# Altium PCB PCB1.PcbDoc (part 1 of 2) (continued)
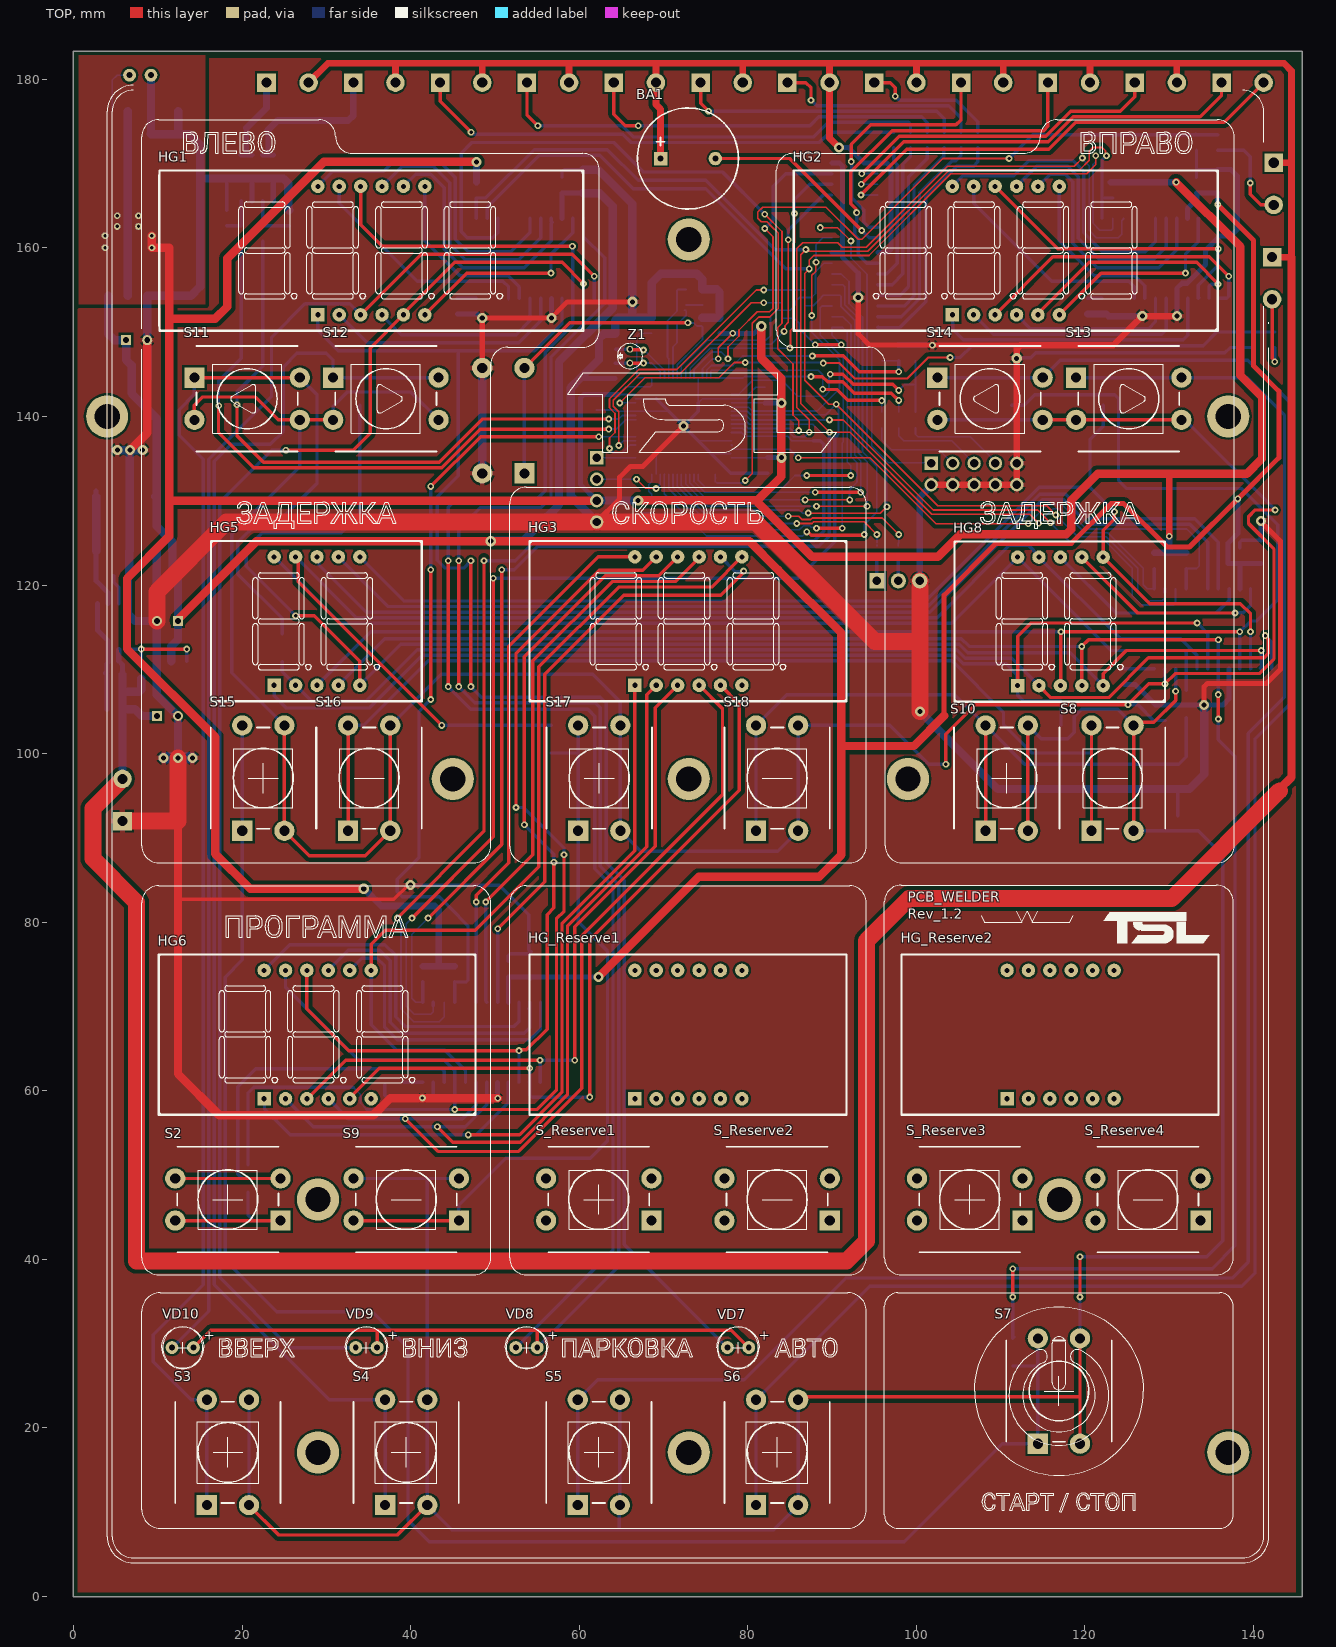
[diagram p0: TOP view]
## Footprints (in the part's own frame and the unit in brackets; to place one, negate y for a bottom-side part, rotate by r counter-clockwise, add the part's x,y. Pads: shape width x height; smd on the part's side, far side on the other; paste and mask are expansions set on the pad)
Buzzer_HCM1212A [mm]
  rect 1.6x1.6 hole 0.7: 1(0,0)
  round 1.6 hole 0.7: 2(6.5,0)
  silkscreen extent -2.75,-6 9.25,6, body extent -2.75,-6 9.25,6, height 9.5
Capacitor_0805 [mm]
  rect 1.05x1.4 smd: 1(-0.925,0) 2(0.925,0)
  silkscreen extent -0.05,-0.63 0.05,0.63, body extent -1,-0.63 1,0.63, height 1.3
CAPACITOR_1206 [mm] "Chip Capacitor, 2-Leads, Body 3,10x1,60mm, IPC Medium Density"
  rect 1.25x1.75 smd: 1(-1.375,0) 2(1.375,0)
  silkscreen extent -0.25,-0.8 0.25,0.8, body extent -1.6,-0.85 1.6,0.85, height 0.6
Capacitor_Electrolit_6.3x11 [mm]
  rect 1.2x1.2 hole 0.7: 1(0,0)
  round 1.2 hole 0.7: 2(2.5,0)
  silkscreen extent -1.9,-3.15 4.4,3.15, body extent -1.87,-3.15 4.42,3.15, height 11.8
CONNECTOR_DG306-5.0-02P [mm]
  rect 2.2x2.2 hole 1.2: 1(0,0)
  round 2.2 hole 1.2: 2(5,0)
  silkscreen extent -2.6,-3.1 7.4,4.52, body extent -2.5,-3.1 7.5,4.5, height 9.8
CONNECTOR_PLD-10 [mm]
  rect 1.6x1.6 hole 1: 1(0,0)
  round 1.6 hole 1: 2(0,2.54) 3(2.54,0) 4(2.54,2.54) 5(5.08,0) 6(5.08,2.54) 7(7.62,0) 8(7.62,2.54) 9(10.16,0) 10(10.16,2.54)
  silkscreen extent -1.27,-1.27 11.43,3.81, body extent -1.27,-1.27 11.43,3.81, height 8.8
CONNECTOR_PLS-3 [mm]
  rect 1.8x1.8 hole 1: 1(0,0)
  round 1.8 hole 1: 2(2.54,0) 3(5.08,0)
  silkscreen extent -1.27,-1.27 6.35,1.27, body extent -1.27,-1.27 6.35,1.27, height 8.8
CONNECTOR_PLS-4 [mm]
  rect 1.6x1.6 hole 1: 1(0,0)
  round 1.6 hole 1: 2(2.54,0) 3(5.08,0) 4(7.62,0)
  silkscreen extent -1.27,-1.27 8.89,1.27, body extent -1.27,-1.27 8.89,1.27, height 8.8
Diode_MMSD4148 [mm]
  rect 0.91x1.22 smd: 1(-1.64,0) 2(1.64,0)
  silkscreen extent -1,-0.51 0.65,1, body extent -1.93,-0.9 1.93,0.9, height 1.35
DIODE_STPS1L30A [mm] "Molded Diode, 2-Leads, Body 5,20x2,60mm, IPC Medium Density DIOM5226X27N"
  rect 1.45x1.65 smd: 1(-1.975,0) 2(1.975,0)
  silkscreen extent -3.52,-1.7 3,1.7, body extent -2.5,-1.35 2.5,1.35, height 2.3
FYD-5621Bx [mm]
  rect 1.6x1.6 hole 0.6: 1(0,0)
  round 1.6 hole 0.6: 2(2.54,0) 3(5.08,0) 4(7.62,0) 5(10.16,0) 6(10.16,15.24) 7(7.62,15.24) 8(5.08,15.24) 9(2.54,15.24) 10(0,15.24)
  silkscreen extent -7.5,-1.9 17.5,17.1, body extent -7.5,-1.8 17.5,17.2, height 8
FYQ-5641BG-21 [mm]
  rect 1.6x1.6 hole 0.6: 1(0,0)
  round 1.6 hole 0.6: 2(2.54,0) 3(5.08,0) 4(7.62,0) 5(10.16,0) 6(12.7,0) 7(12.7,15.24) 8(10.16,15.24) 9(7.62,15.24) 10(5.08,15.24) 11(2.54,15.24) 12(0,15.24)
  silkscreen extent -18.8,-1.9 31.5,17.1, body extent -18.85,-1.88 31.55,17.12, height 8
FYT-5631BX [mm]
  rect 1.6x1.6 hole 0.6: 1(0,0)
  round 1.6 hole 0.6: 2(2.54,0) 3(5.08,0) 4(7.62,0) 5(10.16,0) 6(12.7,0) 7(12.7,15.24) 8(10.16,15.24) 9(7.62,15.24) 10(5.08,15.24) 11(2.54,15.24) 12(0,15.24)
  silkscreen extent -12.5,-1.9 25.1,17.1, body extent -12.45,-1.91 25.15,17.1, height 8
INDUCTOR_CDRH8D28 [mm] "Precision Wire Wound Inductor, 2-Leads, Body 8,00x8,00mm, IPC Medium Density, INDP8080X30N"
  rect 2x2.8 smd: 1(-3.6,0) 2(3.6,0)
  silkscreen extent -4.15,-4.15 4.15,4.15, body extent -4.35,-4 4.35,4, height 2.8
IRF7341_SO-8/SOIC-8 [mm]
  rect 1.45x0.6 smd: 1(-2.725,1.905) 2(-2.725,0.635) 3(-2.725,-0.635) 4(-2.725,-1.905) 5(2.725,-1.905) 6(2.725,-0.635) 7(2.725,0.635) 8(2.725,1.905)
  silkscreen extent -2.85,-2.5 1.6,2.88, body extent -3,-2.45 3,2.45, height 1.7
"LED_ FYL-3014GD1A" [mil]
  round 60 hole 27.56: 1(0,0) 2(100,0)
  silkscreen extent -44,-94 144,94, body extent -10,-75 125,75, height 301
MCP3208_SOIC16 [mm] "SOIC, 16-Leads, Body 9,91x3,90mm, Pitch 1,27mm, IPC Medium Density"
  rect 1.45x0.6 smd: 1(-2.725,4.445) 2(-2.725,3.175) 3(-2.725,1.905) 4(-2.725,0.635) 5(-2.725,-0.635) 6(-2.725,-1.905) 7(-2.725,-3.175) 8(-2.725,-4.445) 9(2.725,-4.445) 10(2.725,-3.175) 11(2.725,-1.905) 12(2.725,-0.635) 13(2.725,0.635) 14(2.725,1.905) 15(2.725,3.175) 16(2.725,4.445)
  silkscreen extent -1.6,-5 1.6,5, body extent -3,-5.08 3,5.08, height 1.7
NCP1117_SOT223 [mm]
  rect 2.15x1.5 smd: 1(-3.15,2.3) 2(-3.15,0) 3(-3.15,-2.3)
  rect 2.15x3.8 smd: 2(3.15,0)
  silkscreen extent -3.27,-3.25 1.6,3.73, body extent -3.65,-3.35 3.65,3.35, height 1.8
Quartz_32768kHz [mm]
  round 0.8 hole 0.5: 1(-0.275,0) 2(1.375,0)
  silkscreen extent -0.95,-1.5 2.05,1.5, body extent -0.95,-10.9 2.05,0.15, height 3
Quartz_KX-9 [mm] "DFN, 4-Leads, Body 3,20x5,00mm, Pitch 3,70mm, IPC Medium Density"
  rect 1.6x1.25 smd: 1(-1.85,-1.1) 2(1.85,-1.1) 3(1.85,1.1) 4(-1.85,1.1)
  body extent -2.5,-1.6 2.5,1.6, height 1.01
RESISTOR_SMD0805 [mm]
  rect 1.05x1.4 smd: 1(-0.925,0) 2(0.925,0)
  silkscreen extent -0.05,-0.6 0.05,0.6, body extent -1.1,-0.7 1.1,0.7, height 0.5
SO-24 [mm] "STLED316S"
  rect 1.9x0.6 smd: 1(-4.75,6.985) 2(-4.75,5.715) 3(-4.75,4.445) 4(-4.75,3.175) 5(-4.75,1.905) 6(-4.75,0.635) 7(-4.75,-0.635) 8(-4.75,-1.905) 9(-4.75,-3.175) 10(-4.75,-4.445) 11(-4.75,-5.715) 12(-4.75,-6.985) 13(4.75,-6.985) 14(4.75,-5.715) 15(4.75,-4.445) 16(4.75,-3.175) 17(4.75,-1.905) 18(4.75,-0.635) 19(4.75,0.635) 20(4.75,1.905) 21(4.75,3.175) 22(4.75,4.445) 23(4.75,5.715) 24(4.75,6.985)
  silkscreen extent -4.87,-7.8 3.2,7.96, body extent -5.3,-7.8 5.3,7.8, height 2.65
SOIC8 [mm] "SOIC, 8-Leads, Body 4,90x3,90mm, Pitch 1,27mm, IPC Medium Density"
  rect 1.5x0.6 smd: 1(-2.7,1.905) 2(-2.7,0.635) 3(-2.7,-0.635) 4(-2.7,-1.905) 5(2.7,-1.905) 6(2.7,-0.635) 7(2.7,0.635) 8(2.7,1.905)
  silkscreen extent -2.82,-2.45 1.55,2.88, body extent -3,-2.45 3,2.45, height 1.7
STM32F103RBT6_LQFP64 [mm] "TSQFP, 64-Leads, Body 10,00x10,00mm, Pitch 0,50mm, IPC Medium Density"
  rect 1.2x0.3 smd mask+0.1: 1(-5.7,3.75) 2(-5.7,3.25) 3(-5.7,2.75) 4(-5.7,2.25) 5(-5.7,1.75) 6(-5.7,1.25) 7(-5.7,0.75) 8(-5.7,0.25) 9(-5.7,-0.25) 10(-5.7,-0.75) 11(-5.7,-1.25) 12(-5.7,-1.75) 13(-5.7,-2.25) 14(-5.7,-2.75) 15(-5.7,-3.25) 16(-5.7,-3.75) 33(5.7,-3.75) 34(5.7,-3.25) 35(5.7,-2.75) 36(5.7,-2.25) 37(5.7,-1.75) 38(5.7,-1.25) 39(5.7,-0.75) 40(5.7,-0.25) 41(5.7,0.25) 42(5.7,0.75) 43(5.7,1.25) 44(5.7,1.75) 45(5.7,2.25) 46(5.7,2.75) 47(5.7,3.25) 48(5.7,3.75)
  rect 0.3x1.2 smd mask+0.1: 17(-3.75,-5.7) 18(-3.25,-5.7) 19(-2.75,-5.7) 20(-2.25,-5.7) 21(-1.75,-5.7) 22(-1.25,-5.7) 23(-0.75,-5.7) 24(-0.25,-5.7) 25(0.25,-5.7) 26(0.75,-5.7) 27(1.25,-5.7) 28(1.75,-5.7) 29(2.25,-5.7) 30(2.75,-5.7) 31(3.25,-5.7) 32(3.75,-5.7) 49(3.75,5.7) 50(3.25,5.7) 51(2.75,5.7) 52(2.25,5.7) 53(1.75,5.7) 54(1.25,5.7) 55(0.75,5.7) 56(0.25,5.7) 57(-0.25,5.7) 58(-0.75,5.7) 59(-1.25,5.7) 60(-1.75,5.7) 61(-2.25,5.7) 62(-2.75,5.7) 63(-3.25,5.7) 64(-3.75,5.7)
  silkscreen extent -4.6,-4.6 4.6,4.6, body extent -6.01,-6.01 6.01,6.01, height 1.6
"Tact Switch_DTS-26_12x12x95" [mm] "12x12x9.5"
  rect 2.4x2.4 hole 1.2: 1(-6.25,2.5)
  round 2.4 hole 1.2: 2(6.25,2.5) 3(-6.25,-2.5) 4(6.25,-2.5)
  silkscreen extent -6,-6.25 6,6.25, body extent -7.19,-6 6.59,6, height 9.55

## Part data
C1 C2 C3 C4 C5 C6 C8 C10 C11 C12 C13 C14 C15 C16 C18 C20 C24 C25 C30 C31: library part Capacitor_0805
C7 C21 C22 C23 C26 C28: library part Capacitor_1206
C9 C17 C19: library part Capacitor+_6.3x11
L1: library part Indluctor_CDRH8D28
R1 R2 R3 R4 R5 R6 R7 R8 R9 R10 R11 R12 R13 R14 R15 R16 R17 R18 R19 R20 R21 R22 R23 R24 R25 R26 R27 R28 R29 R30 R31 R32 R33 R34 R35 R37 R38 R39 R40 R42 R43 R44 R45: library part Resistor_0805
S1 S2 S3 S4 S5 S6 S7 S8 S9 S10 S11 S12 S13 S14 S15 S16 S17 S18 S_Reserve1 S_Reserve2 S_Reserve3 S_Reserve4: library part Tact_Switch_DTS-26_12x12x95
VD1: library part Diode_STPS1L30A
VD11 VD12 VD13 VD14 VD15 VD16 VD17 VD18 VD19: library part Diode_MMSD4148
Z1: library part Quartz_32678Hz

## Free pads (board coordinates)
  round 5 hole 3: ""(4,140) ""(29,17.1) ""(29,47.1) ""(45,97) ""(73,17.1) ""(73,97) ""(73,161) ""(99,97) ""(117,47.1) ""(137,17.1) ""(137,140)

## Via types
v1: diameter 0.8, hole 0.4, TOP to BOTTOM, 171 vias
v2: diameter 1.2, hole 0.6, TOP to BOTTOM, 27 vias

## Nets (pads, with @x,y where several pads share a name; then routed paths per layer and width w, separated by ;. In a path a pad name is that pad's centre, name@x,y a point inside that pad or via, vN(x,y) a via of type N, cw(c..) or ccw(c..) an arc to the next point about the centre after c; other vN are vias at no path point)
ADC1_IN0: DD1.14 R4.1 R13.2 | length 28.5
  TOP w0.4: v1(87.662,147.168) 87.676,147.182 91.318,147.182 93.2,145.3 v1(97.9,145.3)
  BOTTOM w0.2: DD1.14@75.121,144.556 75.121,145.506 75.665,146.05 78.254,146.05 79.371,147.168 v1(87.662,147.168) ; R4.1@95.9,146.6 R13.2@97.9,146.6
  BOTTOM w0.4: v1(97.9,145.3) R13.2@97.9,146.6
ADC1_IN1: DD1.15 R7.1 | length 25
  TOP w0.4: v1@88.9,143.2 90.535,143.2 91.835,141.9 95.88,141.9 v1(95.9,141.88)
  BOTTOM w0.2: DD1.15@75.621,144.556 75.621,145.364 75.738,145.481 88.363,145.481 88.886,144.958 v1(88.886,143.235) ; R7.1@95.9,140.5 v1(95.9,141.88)
ADC1_IN2: DD1.16 R12.1 | length 24.4
  TOP w0.4: v1(87.505,144.727) 88.848,144.727 89.467,144.109 91.249,144.109 92.624,142.734 97.044,142.734 97.879,141.9 v1(97.9,141.9)
  BOTTOM w0.2: DD1.16@76.121,144.556 79.456,144.556 79.63,144.73 81.026,144.73 81.031,144.735 87.497,144.735 v1(87.505,144.727) ; R12.1@97.9,140.5 v1(97.9,141.9)
ADC1_IN3: DD1.17 R5.1 R14.2 | length 32.7
  TOP w0.4: v1(89.779,145.004) 91.279,145.004 92.483,143.8 97.186,143.8 v1(97.9,143.086)
  BOTTOM w0.2: DD1.17@78.071,142.606 78.906,142.606 79.941,143.641 80.576,144.276 81.214,144.276 81.219,144.281 84.019,144.281 85.9,142.4 89.117,142.4 89.64,142.923 89.64,144.86 89.779,144.999 v1(89.779,145.004) ; v1(97.9,143.086) 98.614,143.8 99.9,143.8 ; R5.1@99.9,140.5 99.9,143.8 ; R14.2@99.9,146.6 99.9,143.8
DIR1: DA3.15 R25.2 | length 26
  BOTTOM w0.4: DA3.15@95.435,151.826 98.21,151.826 100.366,153.983 100.366,166.466 104.254,170.354 104.654,170.354 105.3,171 R25.2@105.3,171.875
DIR2: DA3.12 R28.2 | length 18.8
  BOTTOM w0.4: DA3.12@95.435,155.636 97.136,155.636 98.404,156.904 98.404,169.904 99.3,170.8 R28.2@99.3,171.875
GND: C1.1 C2.1 C3.1 C4.1 C5.2 C6.1 C7.2 C8.2 C9.2 C10.1 C11.1 C12.1 C13.1 C14.1 C15.1 C16.2 C17.2 C18.2 C19.2 C20.2 C21.2 C22.2 C23.2 C24.1 C25.1 C26.2 C28.2 C30.1 C31.1 DA1.4 DA2.8 DA3.8 DA4.1 DD1.12 DD1.18 DD1.28 DD1.31 DD1.47 DD1.60 DD1.63 DD2.17 DD3.17 DD5.17 DD5.23 DD6.17 R10.1 R11.1 R13.1 R14.1 R16.1 R22.1 R23.1 R31.1 R32.1 R35.1 R37.1 R43.1 R44.1 R45.1 S1.3 S1.4 VD1.2 VD2.1 VT1.1 VT1.3 X3.1 X4.3 X5.2 X5.4 X5.6 X5.8 X5.9 X5.10 X6.4 | length 885.5
  TOP w0.4: 12.4,82.709 38.009,82.709 39.7,84.4 v2(40,84.4)
  TOP w0.6: S1.4@48.5,145.75 v2(48.5,151.7) v2(56.695,151.7) ; v2@56.595,151.6 v2(56.695,151.7) ; X6.4@62.041,127.486 64.8,130.245 64.8,132.8 66.065,134.065 67.549,134.065 72.341,138.857 v2(72.378,138.857) ; v2(66.3,153.6) 58.595,153.6 v2(56.695,151.7) ; v2(93.1,154.1) 93.1,149.8 94.45,148.45 v1(101.9,148.45) 112.339,148.45 112.389,148.5 ; v2(134.137,105.775) 134.2,105.838 134.137,105.9 134.137,107.937 134.536,108.336 141.536,108.336 143.2,110 143.2,125.2 140.867,127.533 v2(140.867,127.6)
  TOP w0.8: X5.2@101.76,131.9 X5.4@104.3,131.9 X5.6@106.84,131.9 X5.8@109.38,131.9 X5.10@111.92,131.9 X5.9@111.92,134.44 111.92,146.9 111.92,148.031 112.339,148.45 123.35,148.45 v2(126.8,151.9) v2(130.905,151.9)
  TOP w1: v2(6.707,136.001) 8.75,138.044 C19.2@8.75,149.053 ; 12.4,92 12.4,82.709 12.4,62 17.3,57.1 35.56,57.1 37.56,59.1 v1(50.322,59.1) ; S1.3@48.5,133.25 S1.3@48.725,133.475 ; X6.4@62.031,127.476 X6.4@62.041,127.486
  TOP w2: X3.1@5.82,92 12.4,92 v2(12.4,99.5) ; C17.2@9.9,115.736 9.9,119.2 18.176,127.476 X6.4@62.031,127.476 ; X6.4@62.071,127.476 80.924,127.476 95.111,113.289 100.437,113.289 ; X4.3@100.4,120.5 100.437,120.463 100.437,113.289 ; v2(100.437,105) 100.437,113.289
  BOTTOM w0.2: C6.1@62.041,140.756 64.24,140.756 64.39,140.606 DD1.60@66.671,140.606 70.629,140.606 ; DD1.63@66.671,142.106 69.129,142.106 ; DD1.47@69.121,133.156 69.121,135.6 ; DD1.12@74.121,144.556 74.121,141.605 74.622,142.106 DD1.18@78.071,142.106 79.986,142.106 80.207,142.327 80.207,142.73 80.933,143.456 C5.2@82.044,143.456 ; 74.129,137.106 DD1.28@78.071,137.106 ; 75.629,135.606 DD1.31@77.979,135.606
  BOTTOM w0.4: R23.1@18.2,164.475 18.2,168.226 ; R43.1@36.924,60.75 36.924,59.476 37.25,59.15 R35.1@39.167,59.15 v1(41.4,59.15) 42.55,59.15 42.702,59.302 DD5.23@42.702,61 ; v2(40,84.4) 50.5,84.4 54,80.9 54,76.697 54.214,76.483 54.3,76.483 C26.2@54.089,76.272 51.822,76.272 51.588,76.038 C30.1@51.588,75.377 ; C24.1@57.965,168.379 57.965,169.04 58.199,169.274 C22.2@60.467,169.274 ; 69.121,135.6 v2(72.378,138.857) ; 69.129,142.106 70.629,140.606 v2(72.378,138.857) ; 74.121,141.605 74.121,140.6 v2(72.378,138.857) ; C3.1@82.361,133.256 77.979,133.256 75.629,135.606 74.129,137.106 72.514,138.722 72.378,138.722 v2(72.378,138.857) ; v2(111.9,146.9) 111.977,146.977 113.577,146.977 114.139,147.539 136.583,147.539 137.219,148.175 R10.1@139.8,148.175 ; R44.1@131,92.65 131,95.8 ; R11.1@133.234,171.575 133.234,169.049 ; 133.464,169.279 C23.2@135.731,169.279 ; C31.1@138.37,124.424 138.366,124.428 138.366,125.089 138.6,125.324 C28.2@140.867,125.324 ; 133.234,169.049 133.229,169.044 133.229,168.383 C25.1@133.234,168.379 133.234,169.049
  BOTTOM w0.6: 6.641,116.386 C14.1@6.641,121.134 ; VT1.3@21.165,165.575 21.165,168.226 ; VT1.1@23.705,165.575 23.705,168.037 23.894,168.226 ; R31.1@45.54,152.156 47.881,152.156 48.338,151.7 v2(48.5,151.7) ; v1(50.322,59.1) DD5.17@50.322,61 ; v2(56.695,151.7) 56.7,151.705 56.695,151.71 DD2.17@56.695,154.006 ; 60.15,144.55 60.2,144.5 64.245,144.5 C10.1@64.264,144.481 ; DA3.8@89.985,159.446 91.202,159.446 91.21,159.439 ; DA2.8@89.985,170.082 90.859,170.082 91.21,169.731 91.21,159.439 ; v2(93.1,154.1) 93.1,157 91.21,158.89 91.21,159.439 ; R13.1@97.9,148.45 R14.1@99.9,148.45 v1(101.9,148.45) ; R37.1@124.7,108.201 125.955,108.201 128.381,105.775 R45.1@129.54,105.775 v2(134.137,105.775) 136.375,105.775 137.1,106.5 DD6.17@137.1,110.051 ; v2(130.905,151.9) DD3.17@130.905,154.006 130.905,154.695 130.9,154.7 130.9,155.2 131.5,155.8 132.1,155.8 134.3,158 134.3,159.7 136,161.4 137.3,161.4 138.1,162.2 138.1,168.5 137.321,169.279 C23.2@135.731,169.279 ; C28.2@140.867,125.324 v2(140.867,127.6)
  BOTTOM w0.8: X4.3@100.4,120.5 100.4,130.432 101.622,131.654 101.622,131.762 X5.2@101.76,131.9 ; R32.1@120.3,152.156 122.544,152.156 122.8,151.9 v2(126.8,151.9)
  BOTTOM w1: v2(5.2,136) 5.201,136.001 v2(6.707,136.001) v2(8.214,136.002) v2(8.214,136.002) ; 6.641,116.386 7.291,115.736 C17.2@9.9,115.736 ; C14.1@6.641,121.134 VD1.2@6.641,123.991 6.7,124.05 v2@6.7,136 ; C18.2@8.75,144.449 DA4.1@8.75,154.316 13.936,154.316 15.022,155.403 15.022,168.226 ; VD2.1@9.2,180.485 9.2,173.603 9.149,173.551 C21.2@9.2,173.5 12.455,173.5 ; C16.2@9.9,123.984 C17.2@9.9,115.736 ; v2(12.4,99.5) C9.2@12.4,104.465 9.9,106.965 R16.1@9.9,110.974 C17.2@9.9,115.736 ; C20.2@12.455,176.199 12.455,173.5 ; R22.1@25.6,164.475 25.525,164.475 25.5,164.5 25.5,167.64 24.914,168.226 23.894,168.226 21.165,168.226 18.2,168.226 15.022,168.226 ; S1.3@48.5,133.25 48.3,133.45 48.5,133.65 S1.4@48.5,145.75 ; C22.2@60.467,169.274 62.226,169.274 66.3,165.2 v2(66.3,153.6) 66.3,151.706 ; C4.1@68.621,128.176 67.583,128.176 66.683,127.276 C7.2@65.216,127.276 65.179,127.239 63.734,127.239 63.688,127.285 62.263,127.285 X6.4@62.071,127.476 62.071,127.529 62.019,127.529 59,130.548 59,143.4 60.15,144.55 62.35,146.75 62.35,149.227 62.936,149.813 64.245,149.813 C12.1@64.264,149.831 64.264,151.355 64.615,151.706 66.3,151.706 ; C11.1@74.621,151.706 C2.1@76.646,151.706 76.646,154.747 76.295,155.099 74.651,155.099 C15.1@74.621,155.069 74.621,156.251 73.948,156.925 72.673,156.925 C13.1@72.666,156.919 69.655,156.919 68.621,155.885 C1.1@68.621,151.706 66.3,151.706 ; v2(100.437,105) 109.637,95.8 131,95.8 132.4,95.8 134.137,97.537 v2(134.137,105.775) ; 12.455,173.5 13.752,173.5 15.022,172.23 15.022,168.226
  BOTTOM w1.4: v2(10.7,99.5) v2(12.4,99.5) v2(14.1,99.5)
iCarriageStop: DD1.62 R2.1 R10.2 | length 84.8
  TOP w0.2: v1(64.8,141.6) 67.8,144.6 76.578,144.6 78.384,146.406 v1(79.705,146.406)
  TOP w0.254: v1(88.948,146.328) 90.88,146.328 92.708,144.5 98.9,144.5 101.4,147 v1(104,147)
  BOTTOM w0.2: v1@64.9,141.5 v1(64.8,141.6) 64.806,141.606 DD1.62@66.671,141.606 ; v1(79.705,146.406) 88.87,146.406 v1(88.948,146.328)
  BOTTOM w0.4: v1(104,147) 105.2,147 106.6,148.4 134.038,148.4 135.663,150.025 R10.2@139.8,150.025 R2.1@142.5,150.025
iEmergencyBrake: DD1.33 R3.1 R11.2 | length 101.9
  TOP w0.2: v1(79.7,132.4) 80.54,133.24 80.54,151.04 81.3,151.8 82.6,151.8 83.6,152.8 83.6,161.758 82.779,162.579 82.268,163.089 81.611,163.089 81.183,163.517 81.183,164.249 81.761,164.827 89.286,164.827 93.102,161.012 93.543,161.012 103.131,170.6 v1(111,170.6)
  BOTTOM w0.2: DD1.33@76.121,133.156 76.121,132.75 76.171,132.7 76.144,132.672 76.144,132.256 76.3,132.1 79.4,132.1 v1(79.7,132.4)
  BOTTOM w0.4: v1(111,170.6) 113.825,173.425 133.084,173.425 133.159,173.5 R11.2@133.234,173.425 R3.1@135.731,173.425
iFB_STEP1: DD1.53 R18.1 | length 32.7
  TOP w0.2: v1(64.7,136.55) 64.7,137.895 64.708,137.903 64.708,140.542 64.046,141.204 64.046,141.912 67.234,145.1 72,145.1 80.4,153.5 v1(81.9,153.5)
  BOTTOM w0.2: v1(64.7,136.55) 65.256,137.106 DD1.53@66.671,137.106 ; v1(81.9,153.5) R18.1@84.1,153.5
iFB_STEP2: DD1.52 R17.1 | length 38.7
  TOP w0.2: v1(63.6,136.2) 63.6,137.437 64.254,138.091 64.254,140.354 63.592,141.016 63.592,142.1 67.069,145.577 71.577,145.577 81,155 v1(81.9,155)
  BOTTOM w0.2: v1(63.6,136.2) 64.1,135.7 65.091,135.7 65.997,136.606 DD1.52@66.671,136.606 ; v1(81.9,155) 82,155.1 82.1,155 86.663,155 86.682,154.982 86.7,155 R17.1@86.8,155
iSTLED316S_IRQN3: DD1.54 DD5.4 R38.1 | length 97.1
  TOP w0.4: v1(42.4,106.423) v1(42.4,121.805) ; v1(42.4,131.7) 48.306,137.606 v1(62.306,137.606)
  BOTTOM w0.2: v1(62.306,137.606) DD1.54@66.671,137.606
  BOTTOM w0.4: v1(42.4,106.423) 41,105.023 41,87.7 38.4,85.1 38.4,83.6 39,83 43.4,83 44.7,81.7 46.8,79.6 46.8,73.134 46.566,72.9 45.257,72.9 R38.1@45.242,72.915 DD5.4@45.242,70.5 ; v1(42.4,121.805) v1(42.4,131.7)
iSTLED316S_IRQN5: DD1.30 DD6.4 R39.1 | length 68.9
  TOP w0.2: v1@86,135.1 94.5,135.1 102.331,127.269 v1(113.285,127.269)
  BOTTOM w0.2: DD1.30@78.071,136.106 84.994,136.106 v1@86,135.1 ; v1(113.285,127.269) 115.562,129.546 117.246,129.546 120.154,126.638 132.062,126.638 133.565,125.135 133.565,122.256 133.275,121.966 R39.1@132.02,121.966
  BOTTOM w0.4: DD6.4@132.02,119.551 R39.1@132.02,121.966
  other v1: 86,135.106
NetBA1_2: BA1.2 DA2.16 | length 23.2
  TOP w0.4: BA1.2@76.15,170.6 84.988,170.6 v1(93.526,162.061)
  BOTTOM w0.4: v1(93.526,162.061) 94.387,161.2 95.427,161.2 DA2.16@95.435,161.192
NetC10_2: C10.2 DD1.3 Z1.1 | length 6.5
  TOP w0.4: Z1.1@66.01,146.331 v1(67.627,146.331)
  BOTTOM w0.2: v1(67.627,146.331) 68.622,146.331 69.621,145.332 DD1.3@69.621,144.556
  BOTTOM w0.4: C10.2@64.264,146.331 Z1.1@66.01,146.331
NetC11_2: C11.2 DD1.7 S1.1 S1.2 | length 43.4
  TOP w0.4: S1.2@53.5,145.75 53.55,145.75 53.55,145.8 58.863,151.113 v1(72.897,151.113)
  BOTTOM w0.2: DD1.7@71.621,144.556 71.621,146.122 73.918,148.419 74.621,149.122 74.621,150.61 74.504,150.727 73.951,150.727 73.597,151.082 72.928,151.082 v1(72.897,151.113)
  BOTTOM w0.4: S1.1@53.5,133.25 S1.2@53.5,145.75
NetC12_2: C12.2 DD1.4 Z1.2 | length 7.8
  TOP w0.2: Z1.2@66.01,147.981 Z1.2@66.063,147.929 ; v1@67.575,147.929 v1(67.627,147.876)
  TOP w0.4: Z1.2@66.063,147.929 v1@67.575,147.929
  BOTTOM w0.2: C12.2@64.264,147.981 64.283,148 C12.2@64.301,147.981 ; v1(67.627,147.876) 67.733,147.876 70.121,145.488 DD1.4@70.121,144.556
  BOTTOM w0.4: C12.2@64.301,147.981 Z1.2@66.01,147.981
NetC13_2: C13.2 DD1.5 Z2.1 | length 12
  BOTTOM w0.2: DD1.5@70.621,144.556 70.621,146.86 70.466,147.015 Z2.1@70.466,149.519 70.466,151.369 71.596,152.499 71.596,154.952 71.713,155.069 C13.2@72.666,155.069
NetC14_2: C14.2 DA1.3 | length 3.6
  BOTTOM w0.4: C14.2@4.791,121.134 4.764,121.106 4.764,120.34 5.371,119.733 DA1.3@5.371,117.801
NetC15_2: C15.2 DD1.6 Z2.3 | length 10.8
  BOTTOM w0.2: DD1.6@71.121,144.556 71.121,148.274 71.596,148.749 71.596,150.899 72.707,152.01 72.707,152.519 72.642,152.584 Z2.3@72.464,152.584 ; Z2.3@72.666,153.219 C15.2@74.621,153.219
NetDA1_1: DA1.1 DA1.7 R6.1 R9.1 R15.1 | length 13.3
  BOTTOM w0.6: DA1.1@2.831,117.801 2.831,114.653 4.101,113.383 DA1.7@4.101,112.401 4.101,110.788 3.97,110.656 3.97,109.704 3.811,109.545 R15.1@3.97,109.386 R9.1@3.97,107.323 R6.1@3.97,105.259
NetDA1_2: DA1.2 L1.1 VD1.1 | length 13.9
  BOTTOM w0.6: VD1.1@2.691,123.991 2.691,120.508 4.101,119.098 DA1.2@4.101,117.801 ; L1.1@2.7,130.5 L1.1@2.7,131.135
  BOTTOM w1: VD1.1@2.691,123.991 L1.1@2.691,130.5
NetDA1_5: DA1.5 R16.2 R19.2 | length 9.8
  TOP w0.4: v1(8.05,112.403) v1(13.44,112.403)
  BOTTOM w0.4: DA1.5@6.641,112.401 6.642,112.403 v1(8.05,112.403) ; R16.2@8.05,110.974 v1@8.05,112.355 ; v1@13.336,112.561 v1@13.44,112.458 ; v1(13.44,112.403) R19.2@13.44,110.974 13.467,110.946 R19.2@13.454,110.932
NetDD1_46: DD1.46 X6.2 | length 9.4
  TOP w0.2: v1(66.8,132.556) 67.856,131.5 69.066,131.5 v1(69.121,131.445)
  BOTTOM w0.2: X6.2@62.041,132.566 X6.2@62.051,132.576 ; X6.2@62.071,132.556 v1(66.8,132.556) ; v1(69.121,131.445) 69.621,131.945 DD1.46@69.621,133.156
NetDD1_49: DD1.49 X6.1 | length 4.6
  BOTTOM w0.2: X6.1@62.041,135.106 DD1.49@66.671,135.106
NetDD2_6: DD2.6 HG1.12 | length 37.8
  BOTTOM w0.4: HG1.12@28.99,167.301 30.758,169.069 36.809,169.069 38.079,170.339 43.318,170.339 45.308,168.348 45.308,161.046 46.81,159.544 51.89,159.544 54.155,161.809 DD2.6@54.155,163.506
NetDD2_7: DD2.7 HG1.9 | length 32.1
  BOTTOM w0.4: HG1.9@36.61,167.301 38.994,169.685 42.701,169.685 44.654,167.732 44.654,160.43 46.493,158.591 52.843,158.591 55.425,161.174 DD2.7@55.425,163.506
NetDD2_8: DD2.8 HG1.8 | length 31.1
  BOTTOM w0.4: HG1.8@39.15,167.301 40.6,168.751 42.365,168.751 44,167.116 44,159.814 46.175,157.639 53.478,157.639 56.695,160.856 56.695,162.936 56.795,163.036 56.695,163.136 DD2.8@56.695,163.506
NetDD2_10: DD2.10 HG1.6 | length 24.6
  TOP w0.4: HG1.6@41.69,152.061 46.633,157.004 v1(56.653,157.004)
  BOTTOM w0.4: v1(56.653,157.004) 56.653,159.226 59.235,161.809 DD2.10@59.235,163.506
NetDD2_11: DD2.11 VD7.2 VD8.2 VD9.2 VD10.2 | length 238.3
  TOP w0.4: VD10.2@14.235,29.537 16.289,31.591 36.036,31.591 ; VD9.2@36.03,29.537 36.036,29.543 36.036,31.591 ; v1(45.72,107.95) v1(45.72,122.872) ; VD8.2@55.019,29.537 55.019,31.591 ; VD7.2@80.114,29.537 78.06,31.591 55.019,31.591 ; 36.036,31.591 55.019,31.591
  BOTTOM w0.4: v1(45.72,107.95) 47.625,106.045 61.895,106.045 62.5,105.44 62.5,86.625 64.692,84.433 64.692,39.21 VD8.2@55.019,29.537 ; v1(45.72,122.872) 45.72,126.62 48.3,129.2 55.5,129.2 56.646,130.346 56.646,147.046 63.024,153.424 63.024,158.814 60.505,161.332 DD2.11@60.505,163.506
NetDD2_13: DD2.13 HG1.3 VD10.1 | length 171.9
  TOP w0.4: HG1.3@34.07,152.061 41.235,159.226 59.193,159.226 v1(61.775,156.644)
  BOTTOM w0.4: VD10.1@11.695,29.537 16.03,33.872 16.03,134.934 18.574,137.477 23.5,142.404 23.5,149.389 27.464,153.352 32.779,153.352 HG1.3@34.07,152.061 ; DD2.13@61.775,154.006 v1(61.775,156.644)
NetDD2_14: DD2.14 HG1.5 VD9.1 | length 175.3
  TOP w0.4: v1(25.205,136) 33.2,136 35.2,138 35.2,148.111 HG1.5@39.15,152.061 39.15,152.201 45.223,158.274 57.977,158.274 60.505,155.746 v1(60.505,155.734)
  BOTTOM w0.4: v1(25.205,136) 23.5,136 17.338,129.838 17.338,37.862 25.663,29.537 VD9.1@33.49,29.537 ; DD2.14@60.505,154.006 v1@60.505,155.691
NetDD2_15: DD2.15 HG1.10 VD8.1 | length 194.2
  TOP w0.4: HG1.10@34.07,167.301 34.07,162.759 36.65,160.179 v1(59.193,160.179) ; v1(44.45,107.95) v1(44.45,122.872)
  BOTTOM w0.4: v1(44.45,107.95) 47.149,105.251 61.041,105.251 61.846,104.446 61.846,86.354 64.008,84.192 64.008,41.066 VD8.1@52.479,29.537 ; v1(44.45,122.872) 44.45,129.25 45.2,130 54.8,130 55.992,131.192 55.992,147.617 59.235,150.86 59.235,160.136 v1(59.193,160.179)
NetDD2_16: DD2.16 HG1.1 VD7.1 | length 180.9
  TOP w0.4: v1(47.149,107.95) v1(47.149,122.872)
  BOTTOM w0.4: HG1.1@28.99,152.061 28.99,150.239 31.432,147.796 45.6,147.796 ; v1(47.149,107.95) 48.4,106.699 62.514,106.699 63.224,105.989 63.224,87.076 65.346,84.954 65.346,41.765 VD7.1@77.574,29.537 ; v1(47.149,122.872) 46.295,122.018 44.096,122.018 43.18,122.935 43.18,130.493 45.644,132.956 45.644,147.752 45.6,147.796 ; DD2.16@57.965,154.006 57.965,151.065 54.696,147.796 45.6,147.796
NetDD2_18: DD2.18 HG1.2 | length 29
  BOTTOM w0.4: HG1.2@31.53,152.061 34.843,148.749 52.843,148.749 55.425,151.331 DD2.18@55.425,154.006
NetDD2_19: DD2.19 HG1.4 | length 22
  BOTTOM w0.4: HG1.4@36.61,151.964 HG1.4@36.61,152.061 36.83,151.841 36.83,151.744 38.873,149.701 52.525,149.701 54.155,151.331 DD2.19@54.155,154.006
NetDD2_20: DD2.20 HG1.7 | length 21.3
  BOTTOM w0.4: HG1.7@41.69,167.301 41.69,160.854 45.858,156.686 51.56,156.686 52.885,155.361 DD2.20@52.885,154.006
NetDD2_21: DD2.21 HG1.11 | length 27.6
  BOTTOM w0.4: HG1.11@31.53,167.301 31.53,165.299 40.796,156.032 50.957,156.032 51.615,155.374 DD2.21@51.615,154.006 DD2.21@51.615,153.956
NetDD2_24: DD2.24 R31.2 | length 2.3
  BOTTOM w0.4: R31.2@45.54,154.006 DD2.24@47.805,154.006
NetDD3_6: DD3.6 HG2.12 | length 37.4
  BOTTOM w0.4: HG2.12@104.259,167.301 105.513,168.555 111.564,168.555 113.347,170.339 118.586,170.339 119.856,169.069 119.856,161.766 122.079,159.544 127.159,159.544 128.365,160.75 DD3.6@128.365,163.506
NetDD3_7: DD3.7 HG2.9 | length 31.6
  BOTTOM w0.4: HG2.9@111.879,167.301 114.262,169.685 117.97,169.685 119.202,168.453 119.202,161.15 121.761,158.591 128.111,158.591 129.635,160.115 DD3.7@129.635,163.506
NetDD3_8: DD3.8 HG2.8 | length 30.6
  BOTTOM w0.4: HG2.8@114.419,167.301 115.869,168.751 117.634,168.751 118.548,167.837 118.548,160.534 121.444,157.639 128.746,157.639 130.905,159.798 DD3.8@130.905,163.506
NetDD3_10: DD3.10 HG2.6 | length 24.1
  TOP w0.4: HG2.6@116.959,152.061 121.901,157.004 v1(131.921,157.004)
  BOTTOM w0.4: v1(131.921,157.004) 131.921,159.226 133.445,160.75 DD3.10@133.445,163.506
NetDD3_13: DD3.13 HG2.3 | length 35.1
  TOP w0.4: HG2.3@109.339,152.061 116.205,158.928 134.76,158.928 v1(137.044,156.644)
  BOTTOM w0.4: DD3.13@135.985,154.006 136.806,154.006 137.044,154.244 v1(137.044,156.644)
NetDD3_14: DD3.14 HG2.5 | length 27.7
  TOP w0.4: HG2.5@114.419,152.061 114.419,152.201 120.491,158.274 133.246,158.274 135.774,155.746 135.774,155.691 v1(135.786,155.679)
  BOTTOM w0.4: DD3.14@134.715,154.006 134.715,155.415 135,155.7 135.759,155.7 135.783,155.675 v1(135.786,155.679)
NetDD3_15: DD3.15 HG2.10 | length 36.5
  TOP w0.4: HG2.10@109.339,167.301 116.765,159.875 v1(135.825,159.875)
  BOTTOM w0.4: DD3.15@133.445,154.006 133.5,154.061 133.456,154.105 133.456,155.556 135.825,157.925 v1(135.825,159.875)
NetDD3_16: DD3.16 HG2.1 | length 34.7
  BOTTOM w0.4: HG2.1@104.259,152.061 104.299,152.021 104.299,150.336 105.535,149.1 131.666,149.1 132.175,149.609 DD3.16@132.175,154.006
NetDD3_18: DD3.18 HG2.2 | length 27.7
  BOTTOM w0.4: HG2.2@106.799,152.061 109.106,149.754 129.116,149.754 129.635,150.273 DD3.18@129.635,154.006
NetDD3_19: DD3.19 HG2.4 | length 20.3
  BOTTOM w0.4: HG2.4@111.879,152.061 111.879,152.041 111.899,152.041 113.532,150.408 127.557,150.408 128.365,151.216 DD3.19@128.365,154.006
NetDD3_20: DD3.20 HG2.7 | length 20.3
  BOTTOM w0.4: HG2.7@116.959,167.301 116.959,160.854 121.126,156.686 125.923,156.686 127.1,155.509 127.1,154.011 DD3.20@127.095,154.006
NetDD3_21: DD3.21 HG2.11 | length 26.5
  BOTTOM w0.4: HG2.11@106.799,167.301 106.799,165.299 116.065,156.032 125.168,156.032 125.825,155.375 DD3.21@125.825,154.006
NetDD3_24: DD3.24 R32.2 | length 1.7
  BOTTOM w0.4: R32.2@120.3,154.006 120.306,154 120.313,154.006 DD3.24@122.015,154.006
NetDD4_6: 
NetDD4_7: 
NetDD4_8: 
NetDD4_10: 
NetDD4_11: 
NetDD4_12: 
NetDD4_13: 
NetDD4_14: 
NetDD4_15: 
NetDD4_16: 
NetDD4_18: 
NetDD4_19: 
NetDD4_20: 
NetDD4_21: 
NetDD4_24: 
NetDD5_6: DD5.6 HG3.12 | length 63.3
  TOP w0.4: v1(47.8,82.4) 47.8,83.2 51.654,87.054 51.654,112.754 62.249,123.349 HG3.12@66.6,123.349
  BOTTOM w0.4: DD5.6@47.782,70.5 47.8,70.518 v1(47.8,82.4) v1@47.8,82.439 ; HG3.12@66.516,123.265 HG3.12@66.6,123.349
NetDD5_7: DD5.7 HG3.9 | length 68
  TOP w0.4: v1(48.9,82.4) 54.5,88 54.5,111.015 63.901,120.416 71.416,120.416 74.22,123.22 HG3.9@74.22,123.349
  BOTTOM w0.4: v1(48.9,82.4) 48.9,70.652 DD5.7@49.052,70.5 ; HG3.9@74.136,123.432 HG3.9@74.22,123.349 HG3.9@74.165,123.294
NetDD5_8: DD5.8 HG3.8 | length 73.5
  TOP w0.4: v1(50.322,79.216) 50.324,79.216 55.9,84.792 55.9,109.399 65.301,118.8 76.8,118.8 79.5,121.5 v1(79.5,121.654)
  BOTTOM w0.4: DD5.8@50.322,70.5 v1(50.322,79.216) ; HG3.8@76.76,123.349 78.532,121.577 79.423,121.577 v1(79.5,121.654)
NetDD5_10: DD5.10 HG6.12 | length 42.3
  BOTTOM w0.4: HG6.12@22.617,74.295 25.655,77.332 36.945,77.332 38.215,76.062 38.215,68.76 39.347,67.627 52.229,67.627 52.862,68.261 DD5.10@52.862,70.5
NetDD5_11: DD5.11 HG6.9 | length 36.7
  BOTTOM w0.4: HG6.9@30.237,74.295 32.621,76.679 36.328,76.679 37.561,75.446 37.561,68.144 38.871,66.834 53.499,66.834 54.132,67.467 54.132,69.75 54.032,69.75 54.132,69.85 DD5.11@54.132,70.5